# Altium PCB viper_eagle_rep_2.PcbDoc (part 2 of 4)
Units mm, origin at the board's own origin, x right, y up, seen from the top; angles counter-clockwise.
Board outline 285.4 x 100.2 mm, 2 copper layers (Component Side, Bottom Layer), stack 1.571 mm thick; 382 components, 222 nets, 1348 pads, 296 vias.
Unrouted connection lines stored in the file: 32.
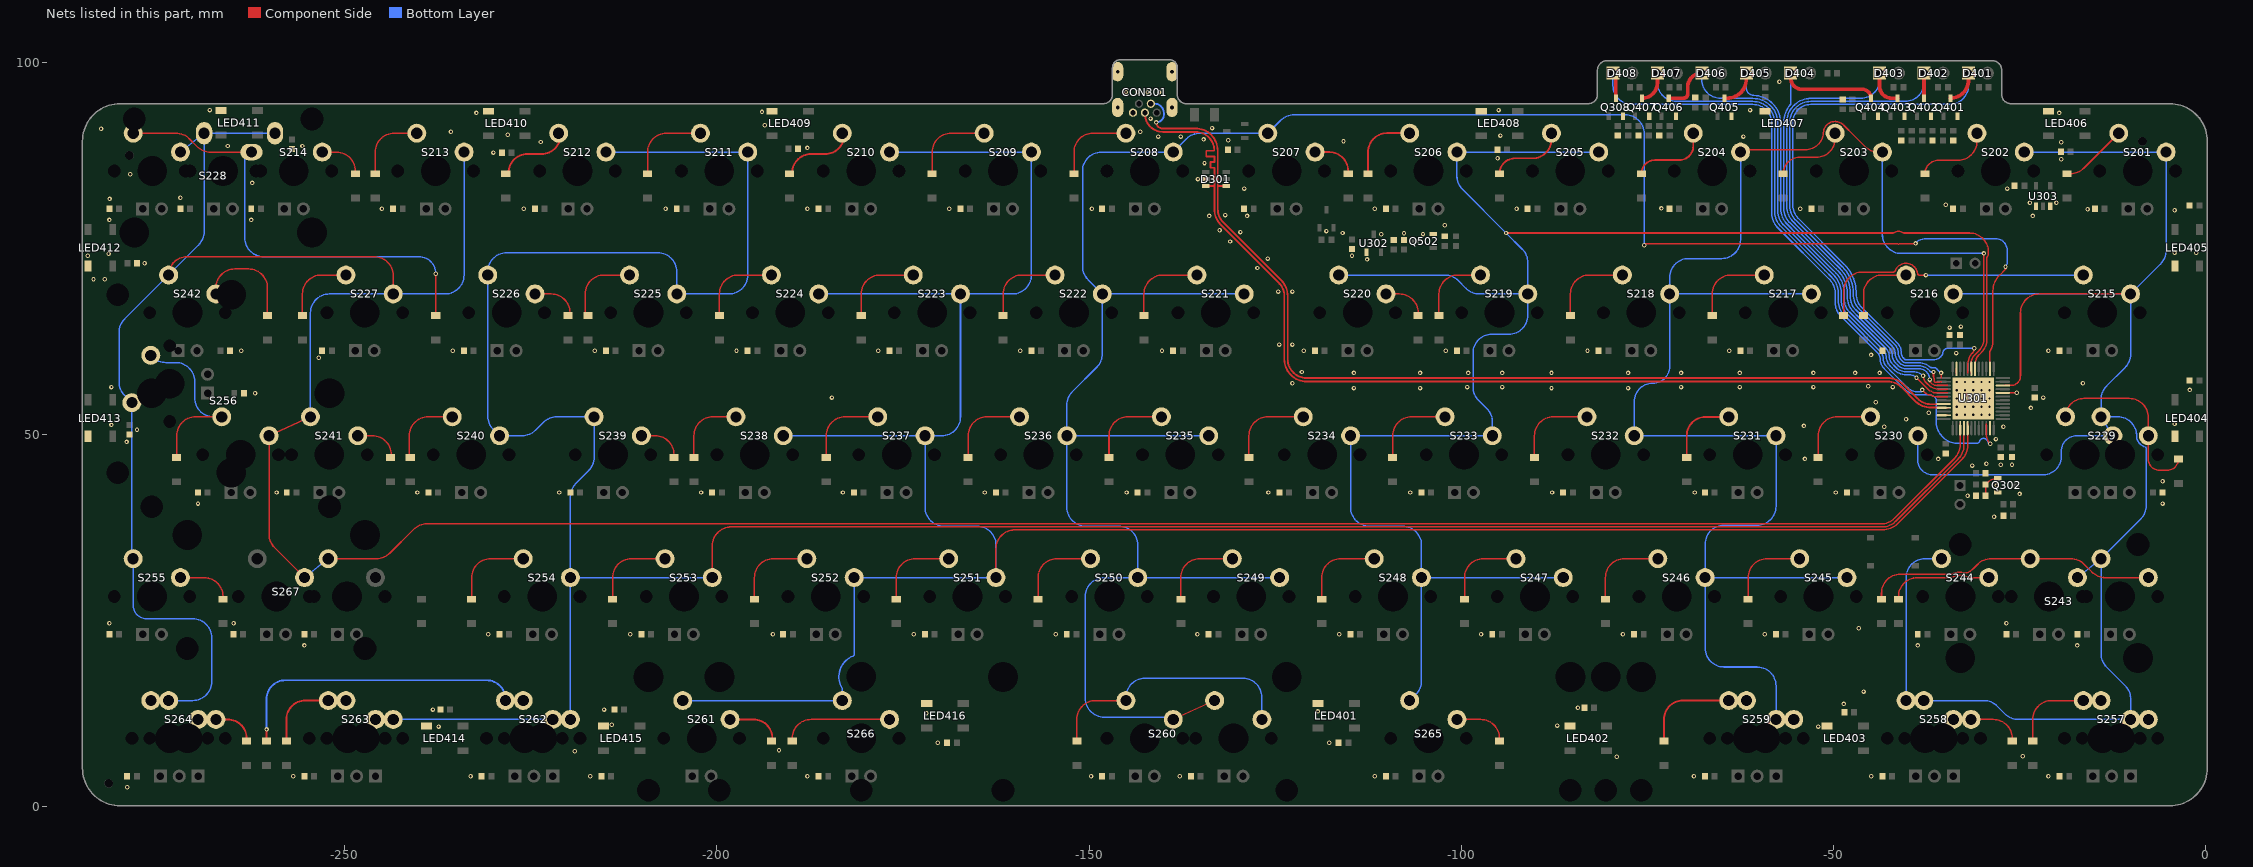
[diagram p2: the nets of this part, all layers, seen from the top]

## Via types
v1: diameter 0.6, hole 0.3, Component Side to Bottom Layer, tented both sides, 269 vias
v2: diameter 0.6, hole 0.3, Component Side to Bottom Layer, 25 vias
v3: diameter 1, hole 0.5, Component Side to Bottom Layer, tented both sides, 2 vias

## Nets (pads, with @x,y where several pads share a name; then routed paths per layer and width w, separated by ;. In a path a pad name is that pad's centre, name@x,y a point inside that pad or via, vN(x,y) a via of type N, cw(c..) or ccw(c..) an arc to the next point about the centre after c; other vN are vias at no path point) (continued)
col1: S201.2 S202.2 S215.1 S216.2 S229.2 S230.2 S243.2 S244.2 S257.1 S258.2 U301.10 | length 250.5
  Component Side w0.203: U301.10@-27.017,56.614 -26.162,56.614 ccw(c-26.162,57.884) -24.892,57.884 -24.892,66.365 cw(c-22.352,66.365) -22.352,68.905 S215.1@-10.102,68.905
  Bottom Layer w0.203: S258.2@-40.259,14.295 -40.259,30.805 cw(c-37.719,30.805) -37.719,33.345 S244.2@-35.5,33.345 ; S230.2@-38.677,49.855 -38.677,46.551 ccw(c-36.761,46.551) -36.761,44.635 -21.786,44.635 ccw(c-21.786,46.99) -19.431,46.99 -19.431,47.752 cw(c-17.328,47.752) -17.328,49.855 S229.2@-12.484,49.855 S229.2@-14.071,52.395 ; S258.2@-37.878,14.295 -29.825,14.295 cw(c-29.825,11.755) -28.029,13.551 -26.977,12.499 ccw(c-25.181,14.295) -25.181,11.755 S257.1@-10.102,11.755 -10.102,14.584 ccw(c-12.467,14.584) -10.795,16.256 -13.327,18.788 cw(c-11.531,20.584) -14.071,20.584 S243.2@-14.071,33.345 ; S216.2@-33.915,68.905 S215.1@-10.102,68.905 ; S202.2@-24.39,87.955 S201.2@-5.34,87.955 -5.34,74.72 cw(c-7.88,74.72) -6.084,72.924 S215.1@-10.102,68.905 ; S243.2@-17.246,30.805 S243.2@-14.071,33.345 ; -9.291,49.783 cw(c-7.721,49.855) -9.292,49.912 ; S243.2@-14.071,33.345 -8.745,38.671 ccw(c-10.541,40.467) -8.001,40.467 -8.001,48.146 ccw(c-8.204,48.147) -8.149,48.343 cw(c-7.721,49.855) -9.292,49.912 ; S229.2@-14.071,52.395 -11.831,52.395 cw(c-11.831,49.855) -9.292,49.912 ; S229.2@-14.071,52.395 -14.071,54.727 cw(c-11.531,54.727) -13.327,56.523 -10.846,59.004 ccw(c-12.642,60.8) -10.102,60.8 S215.1@-10.102,68.905
col2: S203.2 S204.2 S217.2 S218.2 S231.2 S232.2 S245.2 S246.2 S259.1 U301.19 | length 224.8
  Component Side w0.203: S204.2@-62.49,87.955 cw(c-61.742,87.207) -62.26,88.13 cw(c-61.742,87.207) -61.742,88.265 -53.84,88.265 ccw(c-53.84,90.805) -51.357,90.271 ccw(c-51.556,90.314) -51.353,90.334 ; -51.3,90.93 ccw(c-49.79,90.495) -51.353,90.335 cw(c-49.79,90.495) -51.035,91.454 cw(c-49.79,90.495) -50.902,91.605 cw(c-49.79,90.495) -50.9,91.607 cw(c-49.79,90.495) -49.79,92.067 cw(c-49.79,90.495) -49.626,92.058 cw(c-49.79,90.495) -49.625,92.058 cw(c-49.79,90.495) -48.799,91.715 ccw(c-48.671,91.872) -48.768,91.694 -48.724,91.65 ccw(c-48.58,91.794) -48.719,91.645 cw(c-49.79,90.495) -48.64,91.566 ccw(c-48.491,91.705) -48.635,91.561 -47.205,90.131 -45.773,88.699 ccw(c-43.977,90.495) -43.977,87.955 S203.2@-43.44,87.955 ; U301.19@-31.492,58.264 -31.492,59.678 cw(c-30.07,59.678) -31.076,60.683 ; -31.076,60.683 -30.542,61.216 ccw(c-32.338,63.012) -29.798,63.012 v1(-29.798,74.342)
  Bottom Layer w0.203: S218.2@-71.8,69.424 ccw(c-71.281,68.905) S218.2@-72.015,68.905 ; S204.2@-62.49,87.955 -62.49,76.2 cw(c-65.03,76.2) -65.03,73.66 -69.475,73.66 ccw(c-69.475,71.12) -72.015,71.12 S218.2@-72.015,68.905 ; S259.1@-57.727,11.755 -57.727,16.256 ccw(c-60.267,16.256) -59.92,18.772 ccw(c-60.267,16.256) -60.267,18.796 -64.712,18.796 cw(c-64.712,21.336) -67.252,21.336 S246.2@-67.252,30.805 ; S217.2@-52.965,68.905 S218.2@-72.015,68.905 ; S245.2@-48.202,30.805 S246.2@-67.252,30.805 ; S203.2@-43.44,87.955 -43.44,76.882 ccw(c-40.9,76.882) -40.9,74.342 v1(-29.798,74.342) ; S218.2@-72.015,68.905 -72.015,59.176 cw(c-74.295,59.176) -74.295,56.896 ccw(c-74.295,54.414) -76.777,54.414 S232.2@-76.777,49.855 S231.2@-57.727,49.855 -57.727,40.386 cw(c-60.267,40.386) -60.267,37.846 -64.712,37.846 ccw(c-64.712,35.306) -67.252,35.306 S246.2@-67.252,30.805
col3: S205.2 S206.2 S219.2 S220.2 S233.2 S234.2 S247.2 S248.2 S265.2 U301.18 | length 257.8
  Component Side w0.203: v1(-93.98,77.089) -41.998,77.089 ccw(c-41.998,77.292) -41.885,77.123 cw(c-41.275,76.2) -40.665,77.123 ccw(c-40.552,77.292) -40.552,77.089 -31.739,77.089 cw(c-31.739,74.549) -29.199,74.549 -29.199,74.397 ccw(c-28.995,74.397) -29.198,74.384 ; U301.18@-30.992,58.264 -30.992,59.474 cw(c-29.248,59.474) -30.481,60.707 -30.139,61.049 ccw(c-31.935,62.845) -29.395,62.845 -29.395,72.078 -29.395,73.279 -29.395,73.812 cw(c-29.192,73.812) -29.345,73.946 ccw(c-29.798,74.342) -29.199,74.294 ; -29.199,74.295 ccw(c-29.798,74.342) -29.198,74.383
  Bottom Layer w0.203: S220.2@-116.465,71.445 -102.215,71.445 cw(c-102.215,68.905) -100.419,70.701 -99.367,69.649 ccw(c-97.571,71.445) -97.571,68.905 S219.2@-91.065,68.905 ; S265.2@-106.939,14.295 -106.096,15.138 ccw(c-107.892,16.934) -105.352,16.934 S248.2@-105.352,30.805 ; S247.2@-86.302,30.805 S248.2@-105.352,30.805 ; S205.2@-81.54,87.955 S206.2@-100.59,87.955 -100.59,84.751 ccw(c-98.05,84.751) -99.846,82.955 v1(-93.98,77.089) -91.809,74.918 cw(c-93.605,73.122) -91.065,73.122 S219.2@-91.065,68.905 ; S248.2@-105.352,30.805 -105.352,35.179 ccw(c-107.892,35.179) -107.892,37.719 -112.337,37.719 cw(c-112.337,40.259) -114.877,40.259 S234.2@-114.877,49.855 S233.2@-95.827,49.855 -95.827,51.722 ccw(c-98.367,51.722) -96.571,53.518 -97.681,54.628 cw(c-95.885,56.424) -98.425,56.424 -98.425,60.96 cw(c-95.885,60.96) -95.885,63.5 -93.605,63.5 ccw(c-93.605,66.04) -91.065,66.04 S219.2@-91.065,68.905
col4: S207.2 S208.2 S221.2 S222.2 S235.2 S236.2 S249.2 S250.2 S260.1 U301.14 | length 326.2
  Component Side w0.203: S260.1@-138.689,11.755 S260.1@-133.133,14.295 ; v1@-75.436,75.487 cw(c-74.995,75.046) -74.995,75.67 -41.607,75.67 cw(c-41.606,75.467) -41.523,75.652 ccw(c-41.275,76.2) -41.027,75.652 cw(c-40.944,75.467) -40.943,75.67 -39.011,75.67 ccw(c-39.011,75.692) v1(-38.989,75.692) ; U301.14@-28.992,59.089 -28.992,61.125 cw(c-28.244,61.125) -28.992,61.14 cw(c-28.789,61.138) -28.966,61.237 ccw(c-31.532,62.678) -28.773,61.654 ccw(c-31.532,62.678) -28.596,62.474 cw(c-28.393,62.46) -28.595,62.481 ccw(c-29.843,62.609) -28.589,62.609 -28.589,69.314 cw(c-25.646,69.314) -28.35,70.476 -28.348,70.479 cw(c-25.646,69.314) -27.727,71.395 -26.874,72.248 ccw(c-27.018,72.391) -26.817,72.366 ccw(c-29.337,72.68) -26.797,72.68 v1(-26.908,72.57) ; U301.14@-28.992,58.264 U301.14@-28.992,59.089
  Bottom Layer w0.203: S260.1@-138.689,11.755 -138.999,12.065 -147.955,12.065 cw(c-147.955,14.605) -150.495,14.605 -150.495,28.265 cw(c-147.955,28.265) -147.955,30.805 S250.2@-143.452,30.805 ; S235.2@-133.927,49.855 S236.2@-152.977,49.855 ; S221.2@-129.165,68.905 S222.2@-148.215,68.905 ; S249.2@-124.402,30.805 S250.2@-143.452,30.805 ; v1(-75.438,75.438) -75.438,90.424 ccw(c-77.978,90.424) -77.978,92.964 -122.469,92.964 ccw(c-122.469,90.424) -124.265,92.22 S207.2@-125.99,90.495 -135.098,90.495 ccw(c-135.098,87.955) -136.894,89.751 S208.2@-138.69,87.955 -148.336,87.955 ccw(c-148.336,85.415) -150.876,85.415 -150.876,72.618 ccw(c-148.336,72.618) -150.132,70.822 S222.2@-148.215,68.905 ; v1@-39.116,75.692 cw(c-37.583,74.159) -39.115,75.693 cw(c-37.583,74.159) -37.583,76.327 -28.216,76.327 cw(c-28.216,74.803) -26.943,75.64 cw(c-28.216,74.803) -26.692,74.803 -26.692,73.089 cw(c-27.427,73.089) -26.734,72.845 cw(c-27.427,73.089) v1(-26.908,72.57) ; S236.2@-152.977,49.855 -152.977,40.259 ccw(c-150.437,40.259) -150.437,37.719 -145.992,37.719 cw(c-145.992,35.179) -143.452,35.179 S250.2@-143.452,30.805 ; S236.2@-152.977,49.855 -152.977,53.996 cw(c-150.437,53.996) -152.234,55.792 -148.959,59.067 ccw(c-150.755,60.863) -148.215,60.863 S222.2@-148.215,68.905
col5: S209.2 S210.2 S223.2 S224.2 S237.2 S238.2 S251.2 S252.2 S261.2 S266.2 U301.41 | length 337.6
  Component Side w0.203: S251.2@-162.502,30.805 -162.502,34.671 cw(c-159.962,34.671) -159.962,37.211 -43.45,37.211 ccw(c-43.45,40.154) -41.37,38.072 -32.736,46.706 ccw(c-34.532,48.502) -31.992,48.502 U301.41@-31.992,50.639 U301.41@-31.992,51.464
  Bottom Layer w0.203: S261.2@-204.571,14.295 S266.2@-183.139,14.295 -183.139,15.827 ccw(c-183.343,15.826) -183.168,15.929 cw(c-180.589,17.47) -182.449,19.829 ; S238.2@-191.077,49.855 S237.2@-172.027,49.855 ; S224.2@-186.315,68.905 S223.2@-167.265,68.905 ; -183.534,18.065 cw(c-180.589,17.47) -182.448,19.829 ; S210.2@-176.79,87.955 S209.2@-157.74,87.955 -157.74,71.445 cw(c-160.28,71.445) -160.28,68.905 S223.2@-167.265,68.905 ; -182.448,19.829 cw(c-180.589,17.47) -181.68,20.268 ccw(c-181.755,20.457) -181.552,20.456 S252.2@-181.552,30.805 S251.2@-162.502,30.805 -162.502,35.179 ccw(c-165.042,35.179) -165.042,37.719 -169.487,37.719 cw(c-169.487,40.259) -172.027,40.259 S237.2@-172.027,49.855 ; S237.2@-172.027,49.855 -169.805,49.855 ccw(c-169.805,52.395) -167.265,52.395 S223.2@-167.265,68.905
col6: S211.2 S212.2 S225.2 S226.2 S239.2 S240.2 S253.2 S254.2 S262.1 S263.1 U301.40 | length 377.8
  Component Side w0.203: S253.2@-200.602,30.805 -200.602,35.074 cw(c-198.062,35.074) -198.062,37.614 -43.45,37.614 ccw(c-43.45,40.154) -41.654,38.358 -33.236,46.777 ccw(c-35.032,48.573) -32.492,48.573 U301.40@-32.492,50.639 U301.40@-32.492,51.464
  Bottom Layer w0.203: S263.1@-243.459,11.755 S262.1@-222.033,11.755 ; S262.1@-219.652,11.755 S254.2@-219.652,30.805 ; S212.2@-214.89,87.955 S211.2@-195.84,87.955 -195.84,71.445 cw(c-198.38,71.445) -198.38,68.905 S225.2@-205.365,68.905 -205.365,71.882 ccw(c-207.905,71.882) -207.905,74.422 -228.225,74.422 ccw(c-228.225,71.882) -230.765,71.882 S226.2@-230.765,71.445 -230.765,52.495 ccw(c-228.225,52.495) -230.021,50.699 S240.2@-229.177,49.855 -226.152,49.855 ccw(c-226.152,52.395) -224.356,50.599 -223.304,51.651 cw(c-221.508,49.855) -221.508,52.395 S239.2@-216.477,52.395 -216.477,46.957 cw(c-219.017,46.957) -217.221,45.161 -218.908,43.474 ccw(c-217.112,41.678) -218.991,43.387 ccw(c-217.112,41.678) -219.652,41.678 S254.2@-219.652,30.805 ; S253.2@-200.602,30.805 S254.2@-219.652,30.805
col7: S213.2 S214.2 S227.2 S228.1 S241.2 S242.2 S255.2 S256.2 S264.2 S267.2 U301.39 | length 457.2
  Component Side w0.203: S242.2@-273.627,71.445 cw(c-271.159,71.445) -271.159,73.914 -246.005,73.914 cw(c-246.005,71.374) -243.465,71.374 S227.2@-243.465,68.905 ; S267.2@-255.655,31.09 -259.396,34.831 cw(c-257.6,36.627) -260.14,36.627 S256.2@-260.14,49.855 S241.2@-254.571,52.395 ; S267.2@-252.195,33.345 -245.71,33.345 ccw(c-245.71,35.885) -243.914,34.089 -240.73,37.273 cw(c-238.933,35.477) -238.933,38.017 -43.617,38.017 ccw(c-43.617,40.557) -41.821,38.761 -33.736,46.847 ccw(c-35.532,48.643) -32.992,48.643 U301.39@-32.992,50.639 U301.39@-32.992,51.464
  Component Side w0.254: S255.2@-278.39,33.345 -278.313,33.345 ccw(c-278.313,33.401) S255.2@-278.257,33.401
  Bottom Layer w0.203: S264.2@-273.627,14.295 -270.383,14.295 ccw(c-270.383,16.835) -267.843,16.835 -267.843,22.733 ccw(c-270.383,22.733) -270.383,25.273 -276.606,25.273 cw(c-276.606,27.057) -278.39,27.057 S255.2@-278.39,33.345 cw(c-277.98,33.755) -278.56,33.755 S256.2@-278.56,54.305 -279.545,55.29 cw(c-277.749,57.086) -280.289,57.086 -280.289,63.731 cw(c-277.749,63.731) -279.545,65.527 S242.2@-273.627,71.445 -269.603,75.47 ccw(c-271.399,77.266) -268.859,77.266 S228.1@-268.859,90.495 ; S228.1@-272.034,87.955 S228.1@-268.859,90.495 ; S214.2@-259.34,90.495 S228.1@-268.859,90.495 ; S267.2@-255.37,30.805 S267.2@-252.195,33.345 ; S241.2@-254.571,52.395 -254.571,66.365 cw(c-252.031,66.365) -252.031,68.905 S227.2@-243.465,68.905 -236.48,68.905 ccw(c-236.48,71.445) -233.94,71.445 S213.2@-233.94,87.955
D_N: CON301.2 D301.4 U301.32 | length 138.9
  Component Side w0.254: v1(-140.97,91.948) ccw(c-140.157,91.948) -140.294,91.147 ccw(c-140.081,93.097) -140.081,91.135 -135.712,91.135 cw(c-135.712,88.138) -132.715,88.138 -132.715,83.312 ; D301.4@-131.594,83.378 -132.649,83.378 -132.715,83.312 ; U301.32@-34.642,54.114 -35.476,54.114 -35.476,54.105 U301.32@-36.083,54.105 ; -132.715,83.312 -132.715,80.312 ccw(c-130.175,80.312) -131.971,78.516 -124.194,70.738 cw(c-126.311,68.622) -123.317,68.622 -123.317,60.147 ccw(c-120.777,60.147) -120.777,57.607 -42.719,57.607 cw(c-42.719,54.612) -40.601,56.73 -38.708,54.837 ccw(c-36.911,56.633) -36.911,54.093 U301.32@-36.114,54.093 ; U301.32@-36.114,54.093 ccw(c-36.114,54.136) U301.32@-36.083,54.105 ; U301.32@-36.114,54.093 ccw(c-36.114,54.136) U301.32@-36.083,54.105
  Bottom Layer w0.254: CON301.2@-141.7,94.45 -141.163,94.45 cw(c-141.163,93.279) -140.335,94.107 cw(c-141.255,93.187) -139.954,93.187 -139.954,92.964 cw(c-140.97,92.964) v1(-140.97,91.948)
D_P: CON301.3 D301.3 U301.33 | length 140.4
  Component Side w0.254: CON301.3@-142.5,93.25 -142.5,93.097 ccw(c-140.081,93.097) -140.081,90.678 -135.712,90.678 cw(c-135.712,88.138) -133.253,88.773 cw(c-135.712,88.138) -133.224,88.646 -133.187,88.287 -133.187,88.138 -134.253,88.138 -134.253,87.376 -133.172,87.376 -133.172,86.614 -133.681,86.614 -133.681,85.852 -133.172,85.852 -133.172,85.725 -133.172,83.312 ; D301.3@-134.344,83.378 -133.238,83.378 -133.172,83.312 ; U301.33@-34.642,53.614 -35.476,53.614 -35.476,53.623 -36.083,53.623 ccw(c-36.114,53.592) -36.114,53.635 -36.912,53.635 cw(c-36.912,56.631) -39.03,54.513 -40.924,56.406 ccw(c-42.72,54.61) -42.72,57.15 -120.777,57.15 cw(c-120.777,60.147) -123.774,60.147 -123.774,68.62 ccw(c-126.314,68.62) -124.518,70.416 -132.295,78.193 cw(c-130.178,80.31) -133.172,80.31 -133.172,83.312
GND: C301.1 C302.1 C303.1 C304.1 C305.1 C306.1 C310.1 C311.1 C312.1 C313.1 C317.2 C401.1 C402.1 C403.1 C404.1 C405.1 C406.1 C408.1 C409.1 C410.1 C411.1 C412.1 C413.1 C414.1 C415.1 C416.1 CON301.5 CON301.S D301.2 LED401.3 LED402.3 LED403.3 LED404.3 LED405.3 LED406.3 LED407.3 LED408.3 LED409.3 LED410.3 LED411.3 LED412.3 LED413.3 LED414.3 LED415.3 LED416.3 Q302.2 Q308.2 Q401.2 Q402.2 Q403.2 Q404.2 Q405.2 Q406.2 Q407.2 Q502.2 R301.2 R304.2 R305.2 R410.2 R412.2 R414.2 R416.2 R418.2 R420.2 R422.2 R424.2 R501.1 R502.1 R503.1 R504.1 R505.1 R506.1 R507.1 R508.1 R509.1 R510.1 R511.1 R512.1 R513.1 R514.1 R515.1 R516.1 R517.1 R518.1 R519.1 R520.1 R521.1 R522.1 R523.1 R524.1 R525.1 R526.1 R527.1 R528_1.1 R528_2.1 R529.1 R530.1 R531.1 R532.1 R533.1 R534.1 R535.1 R536.1 R537.1 R538.1 R539.1 R540.1 R541.1 R542.1 R543.1 R544.1 R545.1 R546.1 R547.1 R548.1 R549.1 R550.1 R551.1 R552.1 R553.1 R554.1 R554_2.1 R555.1 R556.1 R556_2.1 R557.1 R558.1 R559.1 R561_1.1 R561_2.1 R563.1 R565.1 R566.1 R567.1 R567_1.1 R567_2.1 R570.2 R571.1 R654.1 U301.8 U301.23 U301.35 U301.47 U302.1 U303.1 U303.3 | length 8.5
  Component Side w0.203: U301.35@-35.56,52.578 cw(c-35.473,52.491) -35.473,52.614 U301.35@-34.642,52.614 ; U301.47@-33.492,52.614 ccw(c-33.492,54.864) v2(-31.242,54.864) ; U301.23@-33.492,58.264 U301.23@-33.492,58.915 ; U301.47@-28.992,50.639 U301.47@-28.992,51.464 ; U301.8@-27.842,55.614 U301.8@-26.878,55.614 ; U301.8@-27.017,55.614 -25.4,55.614 v1(-25.4,55.626)
  other v1: -279.198,2.64 -256.875,4.135 -233.068,4.135 -217.003,4.135 -187.824,4.135 -149.724,4.135 -137.818,4.135 -111.624,4.135 -68.762,4.135 -44.944,4.135 -21.137,4.135 -79.121,6.731 -24.58,6.796 -219.075,7.493 -191.643,7.62 -170.307,8.636 -117.729,8.636 -237.363,10.795 -52.07,10.795 -87.122,10.922 -214.122,11.049 -171.831,12.573 -119.253,12.827 -238.125,13.081 -215.138,13.081 -84.328,13.335 -48.641,13.843 -45.974,15.494 -255.385,21.69 -38.69,21.69 -17.261,21.69 -230.687,23.185 -211.637,23.185 -192.46,23.185 -173.537,23.185 -154.487,23.185 -135.437,23.185 -116.387,23.185 -97.337,23.185 -78.287,23.185 -59.237,23.185 -46.609,24.003 -281.58,24.68 -264.91,24.68 -26.786,24.68 -28.448,38.989 -269.68,40.74 -5.801,40.74 -32.004,41.783 -25.019,42.037 -259.13,42.235 -240.212,42.235 -221.162,42.235 -202.112,42.235 -183.062,42.235 -164.012,42.235 -144.962,42.235 -125.912,42.235 -106.862,42.235 -87.812,42.235 -68.635,42.235 -49.712,42.235 -28.067,43.18 -5.801,43.73 -31.369,45.847 -27.559,45.974 -26.035,45.974 -29.464,46.101 -53.848,46.736 -35.941,46.736 -279.273,49.022 -28.194,49.403 -277.876,50.673 -43.18,51.054 -27.178,51.054 -53.975,51.181 -281.305,51.308 -4.191,51.435 -40.259,52.07 -37.211,52.959 -23.495,53.594 -44.323,54.356 -184.531,54.991 -21.844,54.991 -262.015,55.575 -2.159,56.007 -114.427,56.261 -105.537,56.261 -87.884,56.261 -77.597,56.261 -281.305,56.388 -99.187,56.388 -94.488,56.388 -70.485,56.388 -62.611,56.388 -52.705,56.388 -42.037,56.388 -45.339,56.515 -122.682,56.896 -16.51,56.896 -114.427,58.293 -105.537,58.293 -99.06,58.293 -94.488,58.293 -87.884,58.293 -77.597,58.293 -70.485,58.293 -62.611,58.293 -52.705,58.293 -47.117,58.293 -43.815,58.293 -121.412,58.42 -253.463,60.325 -44.958,60.706 -33.528,60.96 -263.862,61.285 -235.45,61.285 -216.4,61.285 -197.35,61.285 -178.3,61.285 -159.25,61.285 -140.2,61.285 -121.15,61.285 -102.1,61.285 -83.05,61.285 -64,61.285 -21.137,61.285 -124.46,62.103 -122.682,62.103 -34.417,64.389 -32.893,64.516 -124.587,69.215 -122.682,69.215 -283.718,70.866 -282.194,70.866 -127.381,72.39 -276.86,73.025 -112.649,73.533 -125.984,73.66 -284.48,74.041 -114.681,74.041 -281.686,74.295 -4.191,74.422 -1.27,74.422 -131.064,75.946 -110.744,76.933 -105.144,76.95 -107.696,77.06 -115.951,77.089 -129.667,77.216 -118.11,77.343 -132.461,77.47 -102.235,78.145 -281.574,78.84 -262.53,78.84 -133.858,79.375 -128.778,79.375 -23.241,79.375 -131.699,79.502 -4.191,80.137 -15.875,80.264 -244.975,80.335 -225.925,80.335 -206.875,80.335 -187.825,80.335 -168.775,80.335 -149.606,80.335 -111.625,80.335 -92.575,80.335 -54.475,80.335 -73.123,80.391 -34.925,80.899 -23.622,81.153 -20.066,81.153 -281.559,81.661 -272.049,81.83 -129.159,83.058 -26.67,83.058 -262.382,83.82 -135.382,84.328 -278.765,84.992 -134.493,86.487 -19.431,86.995 -95.123,87.122 -229.997,87.884 -187.833,88.519 -265.684,88.773 -255.651,88.773 -19.431,89.281 -223.647,89.31 -115.824,89.408 -131.318,89.535 -134.62,89.662 -140.716,90.043 -137.668,90.043 -62.103,90.043 -94.742,90.17 -228.092,90.297 -235.712,90.678 -143.129,90.678 -282.702,91.088 -133.477,91.186 -193.548,91.567 -141.732,92.456 -232.283,93.218 -19.685,93.218 -193.929,93.345 -268.097,93.599 -94.996,93.599 -61.214,93.599 -145.034,96.012 -143.51,96.012 -142.113,96.012 -140.589,96.012 -57.277,97.409
  other v2: -33.442,52.664 -32.342,52.664 -31.242,52.664 -30.142,52.664 -29.042,52.664 -33.442,53.764 -32.342,53.764 -31.242,53.764 -30.142,53.764 -29.042,53.764 -33.442,54.864 -32.342,54.864 -30.142,54.864 -29.042,54.864 -33.442,55.964 -32.342,55.964 -31.242,55.964 -30.142,55.964 -29.042,55.964 -33.442,57.064 -32.342,57.064 -31.242,57.064 -30.142,57.064 -29.042,57.064
led1: D401.2 Q401.3 | length 84.9
  Component Side w0.203: -31.992,58.264 -31.992,59.318 cw(c-29.515,59.318) -31.77,60.343 ccw(c-31.955,60.427) -31.767,60.351 ; -31.766,60.352 cw(c-30.07,59.678) -31.378,60.951 ; -31.377,60.952 ccw(c-31.523,61.093) -31.371,60.958 cw(c-29.515,59.318) -31.267,61.069 ccw(c-32.102,61.595) v1(-31.115,61.595)
  Component Side w0.5: Q401.3@-34.305,95.2 ccw(c-34.305,97.628) -31.877,97.628 D401.2@-31.877,98.565
  Bottom Layer w0.203: -35.959,60.218 ccw(c-36.455,61.285) -35.343,60.901 ; -35.594,60.483 cw(c-36.455,61.285) -36.008,60.197 cw(c-36.589,61.479) -36.589,60.071 -40.31,60.071 cw(c-40.31,60.274) -40.453,60.13 -40.586,60.263 cw(c-39.842,61.007) -40.689,60.383 cw(c-39.842,61.007) -40.894,61.007 ccw(c-42.752,61.007) -40.907,61.223 ccw(c-42.752,61.007) -40.907,61.225 ccw(c-42.752,61.007) -41.437,62.319 ccw(c-42.752,61.007) -41.439,62.321 -41.629,62.511 -46.218,67.1 cw(c-44.422,68.896) -46.962,68.896 -46.962,69.215 cw(c-46.762,69.253) -46.965,69.246 ccw(c-52.324,69.052) -47.1,70.264 ccw(c-52.324,69.052) -48.529,72.84 ccw(c-52.324,69.052) -48.534,72.845 -48.55,72.862 -54.727,79.038 cw(c-52.931,80.834) -55.471,80.834 -55.471,91.948 cw(c-53.058,91.948) -53.058,94.361 -34.417,94.361 ccw(c-34.417,96.901) -31.877,96.901 D401.2@-31.877,98.565 ; -35.582,60.496 ccw(c-36.455,61.285) -35.343,60.901 ; v1(-31.115,61.595) -34.649,61.595 ccw(c-34.649,60.901) -35.265,61.22 ccw(c-35.084,61.128) -35.286,61.152 cw(c-36.455,61.285) -35.342,60.902 cw(c-36.455,61.285) -35.343,60.901
led2: D402.2 Q402.3 | length 69.9
  Component Side w0.203: v1(-35.56,58.293) -35.56,57.839 ccw(c-35.242,57.839) -35.467,57.614
  Component Side w0.5: Q402.3@-37.861,95.2 -37.861,98.565 D402.2@-37.846,98.565
  Bottom Layer w0.203: -40.872,59.979 cw(c-39.842,61.007) -41.297,61.007 ccw(c-42.752,61.007) -41.723,62.035 -46.359,66.671 -46.503,66.815 cw(c-44.422,68.896) -47.365,68.896 -47.365,68.991 -47.365,69.088 cw(c-47.162,69.097) -47.365,69.095 ccw(c-52.324,69.052) -48.814,72.555 ccw(c-52.324,69.052) -48.818,72.56 -55.13,78.871 cw(c-53.334,80.667) -55.874,80.667 -55.874,91.948 cw(c-53.058,91.948) -53.058,94.764 -40.386,94.764 ccw(c-40.386,97.304) -37.846,97.304 D402.2@-37.846,98.565 ; -40.871,59.978 -40.738,59.845 ; -40.738,59.845 ccw(c-40.31,60.274) -40.31,59.668 -38.541,59.668 cw(c-38.541,57.404) -37.185,59.217 cw(c-38.541,57.404) -37.013,59.074 ccw(c-36.877,59.225) -36.878,59.022 -36.576,59.022 cw(c-36.576,58.42) -36.252,58.927 -36.233,58.915 ccw(c-36.103,59.071) -36.223,58.907 cw(c-36.576,58.42) -36.091,58.776 ccw(c-35.928,58.898) -36.073,58.755 -35.647,58.329 ccw(c-35.56,58.416) v1(-35.56,58.293)
led3: D403.2 Q403.3 | length 67.1
  Component Side w0.203: v1(-36.576,58.42) -36.576,57.787 ccw(c-36.373,57.787) -36.551,57.69 -36.525,57.642 cw(c-36.704,57.545) -36.5,57.55 cw(c-37.084,57.404) -36.494,57.286 ccw(c-36.295,57.248) -36.385,57.066 ccw(c-35.757,58.35) -36.361,57.054 ccw(c-36.276,57.239) -36.277,57.036 -36.237,57.036 ccw(c-36.238,57.239) -36.178,57.045 cw(c-36.042,56.614) -36.042,57.066 -35.744,57.066 ccw(c-35.745,57.269) -35.677,57.077 cw(c-35.467,56.496) -35.467,57.114
  Component Side w0.5: D403.2@-43.815,98.565 -43.815,96.774 ccw(c-42.241,96.774) -42.241,95.2 Q403.3@-41.417,95.2
  Bottom Layer w0.203: D403.2@-43.815,98.565 -43.815,97.707 cw(c-46.355,97.707) -46.355,95.167 -53.058,95.167 ccw(c-53.058,91.948) -56.277,91.948 -56.277,80.667 ccw(c-53.334,80.667) -55.415,78.586 -54.835,78.007 -50.2,73.371 -49.105,72.276 cw(c-52.324,69.052) -49.1,72.271 cw(c-52.324,69.052) -47.768,69.058 -47.768,68.562 ccw(c-45.228,68.562) -47.768,68.557 ccw(c-45.228,68.562) -47.024,66.766 -42.127,61.869 ; -42.126,61.868 cw(c-43.155,60.84) -41.7,60.84 ccw(c-40.246,60.84) -41.298,59.835 ; -41.403,59.94 ccw(c-40.649,60.673) -41.392,59.929 -41.306,59.843 ccw(c-41.164,59.988) -41.3,59.837 -41.298,59.835 ; v1(-36.576,58.42) -36.877,58.42 cw(c-36.876,58.623) -37.039,58.502 ccw(c-38.541,57.404) -38.541,59.265 -40.31,59.265 cw(c-40.31,60.274) -41.023,59.56 -41.154,59.691 cw(c-39.842,61.007) -41.236,59.778 ccw(c-41.388,59.643) -41.252,59.794 -41.298,59.835
led4: D404.2 Q404.3 | length 66.4
  Component Side w0.203: v1(-37.084,57.404) -37.084,57.168 ccw(c-36.881,57.17) -37.022,57.024 ccw(c-35.757,58.35) -36.431,56.646 ccw(c-36.359,56.836) -36.361,56.633 -35.607,56.633 -35.589,56.614 -34.642,56.614
  Component Side w0.5: D404.2@-55.753,98.565 -55.753,97.917 ccw(c-54.229,97.917) -54.229,96.393 -46.166,96.393 cw(c-46.166,95.2) Q404.3@-44.973,95.2
  Bottom Layer w0.203: D404.2@-55.753,98.565 -55.753,94.446 cw(c-55.956,94.445) -55.802,94.312 ccw(c-53.058,91.948) -56.68,91.948 -56.68,80.333 ccw(c-54.14,80.333) -55.936,78.537 -49.66,72.26 -49.389,71.99 cw(c-52.324,69.052) -49.385,71.986 cw(c-52.324,69.052) -48.171,69.06 -48.171,68.654 -48.171,68.562 ccw(c-45.228,68.562) -48.171,68.557 ccw(c-45.228,68.562) -47.31,66.481 -46.612,65.783 -42.53,61.702 cw(c-43.558,60.673) -42.104,60.673 ccw(c-40.649,60.673) -41.678,59.645 ; -41.677,59.644 -41.441,59.408 -41.308,59.275 ; -41.307,59.274 ccw(c-40.31,60.274) -40.31,58.861 -38.541,58.861 cw(c-38.541,57.404) -37.943,58.733 cw(c-38.541,57.404) -37.212,58.002 cw(c-38.541,57.404) -37.16,57.868 cw(c-38.541,57.404) v1(-37.084,57.404)
led5: D405.2 Q405.3 | length 61.4
  Component Side w0.203: v1(-37.973,57.912) ccw(c-36.747,57.912) -37.614,57.045 ; -37.614,57.045 -37.338,56.769 ccw(c-35.757,58.35) -35.757,56.114 -35.612,56.114 ; -35.612,56.114 -34.642,56.114
  Component Side w0.5: Q405.3@-64.643,95.2 -64.262,95.2 ccw(c-64.262,97.74) -61.722,97.74 D405.2@-61.722,98.565
  Bottom Layer w0.203: D405.2@-61.722,98.565 -61.722,96.587 ccw(c-60.704,96.587) -60.764,95.57 ccw(c-60.751,95.773) -60.757,95.57 ccw(c-60.751,95.773) -60.755,95.57 cw(c-60.833,91.821) -60.704,95.568 cw(c-60.833,91.821) -57.083,91.821 -57.083,80.333 ccw(c-54.14,80.333) -56.222,78.252 -54.961,76.992 -50.199,72.229 -49.673,71.704 cw(c-52.324,69.052) -49.671,71.702 cw(c-52.324,69.052) -48.574,69.052 -48.574,68.228 ccw(c-46.034,68.228) -47.83,66.432 -42.933,61.535 ; -42.932,61.534 cw(c-43.962,60.506) -42.507,60.506 ccw(c-41.052,60.506) -42.081,59.478 -41.861,59.258 -41.594,58.991 ccw(c-40.31,60.274) -41.591,58.988 ccw(c-40.31,60.274) -40.31,58.458 -39.292,58.458 cw(c-39.292,56.593) v1(-37.973,57.912) cw(c-39.292,56.593) v1(-37.973,57.912)
led6: D406.2 Q406.3 | length 68.7
  Component Side w0.203: v1(-38.862,57.658) -37.219,56.015 ccw(c-36.251,56.983) -37.137,55.939 ccw(c-37.005,56.094) -37.077,55.904 cw(c-37.766,54.072) -36.661,55.688 ccw(c-36.547,55.855) -36.6,55.659 ccw(c-36.251,56.983) -36.251,55.614 -35.467,55.614 -34.642,55.614
  Component Side w0.5: Q406.3@-72.136,95.377 Q406.3@-72.136,95.2 -70.154,95.2 ccw(c-70.154,95.758) -69.596,95.758 -69.596,96.66 cw(c-67.691,96.66) D406.2@-67.691,98.565
  Bottom Layer w0.203: D406.2@-67.691,98.565 -67.691,97.707 ccw(c-65.151,97.707) -65.151,95.167 -60.833,95.167 cw(c-60.833,91.821) -57.487,91.821 -57.487,79.999 ccw(c-54.947,79.999) -56.743,78.203 -50.293,71.754 -49.958,71.418 ; -49.957,71.417 cw(c-52.324,69.052) -48.978,69.052 -48.978,68.061 ccw(c-46.438,68.061) -48.234,66.265 -43.336,61.368 cw(c-44.365,60.339) -42.91,60.339 ccw(c-41.918,60.339) -42.815,59.915 cw(c-42.999,59.828) -42.807,59.896 ; -42.807,59.895 ccw(c-41.052,60.506) -42.51,59.354 ccw(c-41.052,60.506) -42.365,59.191 -42.146,58.973 ccw(c-42.002,59.115) -42.145,58.971 -41.879,58.705 ccw(c-40.31,60.274) -41.721,58.562 ccw(c-40.31,60.274) -40.523,58.065 ccw(c-40.31,60.274) -40.31,58.055 -39.82,58.055 cw(c-39.82,56.7) v1(-38.862,57.658)
led7: D407.2 Q407.3 | length 73.3
  Component Side w0.203: v1(-38.1,56.007) -37.951,55.858 ccw(c-36.155,57.654) -37.236,55.355 ccw(c-37.149,55.539) -37.133,55.337 cw(c-37.084,54.737) -36.698,55.198 ccw(c-36.567,55.354) -36.685,55.188 ccw(c-36.567,55.354) -36.604,55.154 ccw(c-36.155,57.654) -36.155,55.114 -35.687,55.114 -34.642,55.114
  Component Side w0.5: Q407.3@-75.707,95.2 ccw(c-75.707,97.247) -73.66,97.247 D407.2@-73.66,98.565
  Bottom Layer w0.203: D407.2@-73.66,98.565 -73.66,97.304 ccw(c-71.12,97.304) -71.12,94.764 -60.833,94.764 cw(c-60.833,91.821) -57.89,91.821 -57.89,79.832 ccw(c-55.35,79.832) -57.146,78.036 -51.15,72.04 -50.242,71.132 cw(c-52.324,69.052) -49.381,69.052 -49.381,68.061 ccw(c-46.438,68.061) -48.519,65.98 -48.038,65.5 -43.784,61.245 ; -43.783,61.245 cw(c-44.92,60.109) -43.315,60.193 ccw(c-43.112,60.203) -43.313,60.172 ccw(c-41.858,60.172) -43.313,60.168 ccw(c-41.858,60.172) -42.888,59.144 -42.037,58.293 -41.964,58.22 -40.259,56.515 ; v1(-38.1,56.007) cw(c-38.505,56.007) -38.12,55.881 cw(c-38.313,55.945) -38.312,55.742 -38.601,55.742 cw(c-38.601,57.879) -39.632,56.007 cw(c-38.601,57.879) -39.678,56.033 cw(c-38.601,57.879) -40.114,56.37 ; -40.259,56.515 -40.114,56.37 ; -40.259,56.515 -40.114,56.37
led8: D408.2 Q308.3 | length 92.2
  Component Side w0.203: -29.492,51.464 -29.492,50.639 -29.492,50.062 ccw(c-27.662,50.062) v1(-28.956,48.768)
  Component Side w0.5: D408.2@-79.629,98.565 cw(c-79.629,98.184) -79.248,98.184 Q308.3@-79.248,95.2
  Bottom Layer w0.203: D408.2@-79.629,98.565 -79.629,96.901 ccw(c-77.089,96.901) -77.089,94.361 -60.833,94.361 cw(c-60.833,91.821) -58.293,91.821 -58.293,79.665 ccw(c-55.753,79.665) -57.549,77.869 -50.528,70.848 cw(c-52.324,69.052) -49.784,69.052 -49.784,67.727 ccw(c-47.244,67.727) -49.04,65.931 -44.069,60.96 cw(c-44.92,60.109) -43.716,60.109 ccw(c-42.011,60.109) -43.217,58.903 ; -43.217,58.903 -40.397,56.083 ccw(c-38.601,57.879) -38.601,55.339 -37.084,55.339 cw(c-37.084,54.45) -36.195,54.45 -36.195,51.598 ccw(c-33.655,51.598) -35.451,49.802 -35.11,49.461 ccw(c-33.443,51.378) -33.443,48.838 -30.957,48.838 ccw(c-30.957,50.007) -30.553,48.909 ccw(c-30.623,49.1) -30.427,49.049 cw(c-29.845,48.895) -30.035,49.466 cw(c-29.845,48.895) -29.248,48.968 ; -29.248,48.966 ccw(c-29.046,48.992) -29.137,48.811 ccw(c-28.956,49.176) v1(-28.956,48.768)
NetC309_2: C309.2 Q302.1 R305.1 | length 3.4
  Component Side w0.203: R305.1@-29.576,41.783 C309.2@-29.576,43.307 -29.298,43.585 cw(c-27.946,42.233) Q302.1@-27.946,44.145
NetD201_1: D201.1 S201.1 | length 9.1
  Component Side w0.203: D201.1@-18.669,85.05 -18.187,85.05 ccw(c-18.187,87.59) -16.391,85.794 S201.1@-11.69,90.495
NetD202_1: D202.1 S202.1 | length 10.6
  Component Side w0.203: D202.1@-37.719,85.05 cw(c-35.901,85.05) -35.901,86.868 -33.28,86.868 ccw(c-33.28,89.408) -30.74,89.408 S202.1@-30.74,90.495
NetD203_1: D203.1 S203.1 | length 10.4
  Component Side w0.203: D203.1@-56.769,85.05 cw(c-54.57,85.05) -55.958,86.755 cw(c-54.57,85.05) -54.57,87.249 -52.33,87.249 ccw(c-52.33,89.789) -49.991,88.8 ccw(c-52.33,89.789) -49.79,89.789 S203.1@-49.79,90.495
NetD204_1: D204.1 S204.1 | length 10.8
  Component Side w0.254: D204.1@-75.819,85.05 cw(c-74.001,85.05) -74.001,86.868 -70.739,86.868 ccw(c-70.739,88.767) -68.84,88.767 S204.1@-68.84,90.495
NetD205_1: D205.1 S205.1 | length 10.4
  Component Side w0.254: D205.1@-94.869,85.05 cw(c-92.797,85.05) -92.797,87.122 -90.43,87.122 ccw(c-90.43,89.662) -87.89,89.662 S205.1@-87.89,90.424
NetD206_1: D206.1 S206.1 | length 9.9
  Component Side w0.254: D206.1@-112.522,85.05 -112.522,87.955 cw(c-109.982,87.955) -109.982,90.495 S206.1@-106.94,90.495
NetD207_1: D207.1 S207.1 | length 6.3
  Component Side w0.254: S207.1@-119.64,87.955 -117.729,87.955 cw(c-117.729,85.415) -115.189,85.415 D207.1@-115.189,85.05
NetD208_1: D208.1 S208.1 | length 11.3
  Component Side w0.203: D208.1@-152.019,85.05 -152.019,87.955 cw(c-149.479,87.955) -149.479,90.495 S208.1@-145.04,90.495
NetD209_1: D209.1 S209.1 | length 11.3
  Component Side w0.203: D209.1@-171.069,85.05 -171.069,87.955 cw(c-168.529,87.955) -168.529,90.495 S209.1@-164.09,90.495
NetD210_1: D210.1 S210.1 | length 10.2
  Component Side w0.254: D210.1@-189.871,84.867 -189.871,85.161 cw(c-187.331,85.161) -187.331,87.701 -185.432,87.701 ccw(c-185.432,90.241) -182.892,90.241 S210.1@-182.892,90.312
NetD211_1: D211.1 S211.1 | length 11.5
  Component Side w0.203: D211.1@-209.296,85.05 -209.296,87.955 cw(c-206.756,87.955) -206.756,90.495 S211.1@-202.19,90.495
NetD212_1: D212.1 S212.1 | length 10.2
  Component Side w0.254: D212.1@-227.971,84.867 -227.971,85.161 cw(c-225.431,85.161) -225.431,87.701 -223.532,87.701 ccw(c-223.532,90.241) -220.992,90.241 S212.1@-220.992,90.312
NetD213_1: D213.1 S213.1 | length 9.9
  Component Side w0.203: D213.1@-245.872,85.05 -245.872,87.955 cw(c-243.332,87.955) -243.332,90.495 -240.538,90.495 S213.1@-240.29,90.495
NetD214_1: D214.1 S214.1 | length 6.3
  Component Side w0.203: S214.1@-252.99,87.955 -251.079,87.955 cw(c-251.079,85.415) -248.539,85.415 D214.1@-248.539,85.05
NetD215_1: D215.1 S215.2 | length 38.3
  Component Side w0.203: D215.1@-48.641,66 -48.641,69.308 cw(c-46.101,69.308) -46.101,71.848 -42.672,71.848 -41.933,71.848 ccw(c-41.933,72.051) -41.742,71.982 cw(c-40.265,71.445) -38.704,71.625 ccw(c-38.502,71.648) -38.502,71.445 v1(-37.592,71.445)
  Bottom Layer w0.203: v1(-37.592,71.445) S215.2@-16.452,71.445
NetD216_1: D216.1 S216.1 | length 10.1
  Component Side w0.203: D216.1@-45.974,66 -45.974,68.905 cw(c-43.434,68.905) -43.434,71.445 S216.1@-40.265,71.445
NetD217_1: D217.1 S217.1 | length 11.3
  Component Side w0.203: D217.1@-66.294,66 -66.294,68.905 cw(c-63.754,68.905) -63.754,71.445 S217.1@-59.315,71.445
NetD218_1: D218.1 S218.1 | length 11.3
  Component Side w0.203: D218.1@-85.344,66 -85.344,68.905 cw(c-82.804,68.905) -82.804,71.445 S218.1@-78.365,71.445
NetD219_1: D219.1 S219.1 | length 9.9
  Component Side w0.203: D219.1@-102.997,66 -102.997,68.905 cw(c-100.457,68.905) -100.457,71.445 S219.1@-97.415,71.445
NetD220_1: D220.1 S220.1 | length 6.1
  Component Side w0.203: S220.1@-110.115,68.905 -108.331,68.905 cw(c-108.331,66.365) -105.791,66.365 D220.1@-105.791,66
NetD221_1: D221.1 S221.1 | length 11.5
  Component Side w0.203: D221.1@-142.621,66 -142.621,68.905 cw(c-140.081,68.905) -140.081,71.445 S221.1@-135.515,71.445
NetD222_1: D222.1 S222.1 | length 11.3
  Component Side w0.203: D222.1@-161.544,66 -161.544,68.905 cw(c-159.004,68.905) -159.004,71.445 S222.1@-154.565,71.445
NetD223_1: D223.1 S223.1 | length 11.3
  Component Side w0.203: D223.1@-180.594,66 -180.594,68.905 cw(c-178.054,68.905) -178.054,71.445 S223.1@-173.615,71.445
NetD224_1: D224.1 S224.1 | length 11.3
  Component Side w0.203: D224.1@-199.644,66 -199.644,68.905 cw(c-197.104,68.905) -197.104,71.445 S224.1@-192.665,71.445
NetD225_1: D225.1 S225.1 | length 10.3
  Component Side w0.203: D225.1@-217.678,66 -217.678,68.905 cw(c-215.138,68.905) -215.138,71.445 S225.1@-211.715,71.445
NetD226_1: D226.1 S226.1 | length 6.5
  Component Side w0.203: S226.1@-224.415,68.905 -222.25,68.905 cw(c-222.25,66.365) -219.71,66.365 D226.1@-219.71,66
NetD227_1: D227.1 S227.1 | length 10.2
  Component Side w0.203: D227.1@-255.651,66 -255.651,68.905 cw(c-253.111,68.905) -253.111,71.445 S227.1@-249.815,71.445
NetD228_1: D228.1 S228.2 | length 63.1
  Component Side w0.203: S228.2@-278.16,90.271 S228.2@-278.384,90.495 -272.649,90.495 cw(c-272.649,87.955) -270.853,89.751 -269.801,88.699 ccw(c-268.005,90.495) -268.005,87.955 S228.2@-262.509,87.955 ; D228.1@-237.744,66 v1(-237.744,71.628)
  Bottom Layer w0.203: S228.2@-262.509,87.955 ccw(c-262.509,87.066) -263.398,87.066 -263.398,76.454 ccw(c-260.858,76.454) -260.858,73.914 -240.03,73.914 cw(c-240.03,71.628) v1(-237.744,71.628)
NetD229_1: D229.1 S229.1 | length 25.3
  Component Side w0.203: S229.1@-18.834,52.395 cw(c-16.365,52.395) -16.365,54.864 -10.261,54.864 cw(c-10.261,52.324) -7.721,52.324 S229.1@-7.721,49.855 -7.721,46.71 ccw(c-6.223,46.71) -6.223,45.212 -5.191,45.212 ccw(c-5.191,46.72) D229.1@-3.683,46.72
NetD230_1: D230.1 S230.1 | length 11.4
  Component Side w0.203: D230.1@-52.07,46.95 -52.07,49.855 cw(c-49.53,49.855) -49.53,52.395 S230.1@-45.027,52.395
NetD231_1: D231.1 S231.1 | length 10.2
  Component Side w0.254: D231.1@-69.723,46.72 -69.723,49.855 cw(c-67.183,49.855) -67.183,52.395 S231.1@-64.077,52.395
NetD232_1: D232.1 S232.1 | length 11.4
  Component Side w0.203: D232.1@-90.17,46.95 -90.17,49.855 cw(c-87.63,49.855) -87.63,52.395 S232.1@-83.127,52.395
NetD233_1: D233.1 S233.1 | length 11.4
  Component Side w0.203: D233.1@-109.22,46.95 -109.22,49.855 cw(c-106.68,49.855) -106.68,52.395 S233.1@-102.177,52.395
NetD234_1: D234.1 S234.1 | length 12.5
  Component Side w0.203: D234.1@-128.524,46.95 -128.524,49.855 cw(c-125.984,49.855) -125.984,52.395 S234.1@-121.227,52.395
  Bottom Layer w0.254: S234.1@-121.793,51.83 S234.1@-121.227,52.395
NetD235_1: D235.1 S235.1 | length 11.4
  Component Side w0.203: D235.1@-147.32,46.95 -147.32,49.855 cw(c-144.78,49.855) -144.78,52.395 S235.1@-140.277,52.395
NetD236_1: D236.1 S236.1 | length 11.3
  Component Side w0.203: D236.1@-166.243,46.95 -166.243,49.855 cw(c-163.703,49.855) -163.703,52.395 S236.1@-159.327,52.395
NetD237_1: D237.1 S237.1 | length 11.3
  Component Side w0.203: D237.1@-185.293,46.95 -185.293,49.855 cw(c-182.753,49.855) -182.753,52.395 S237.1@-178.377,52.395
NetD238_1: D238.1 S238.1 | length 10
  Component Side w0.203: D238.1@-203.073,46.95 -203.073,49.855 cw(c-200.533,49.855) -200.533,52.395 S238.1@-197.427,52.395
NetD239_1: D239.1 S239.1 | length 6.2
  Component Side w0.203: S239.1@-210.127,49.855 -208.28,49.855 cw(c-208.28,47.315) -205.74,47.315 D239.1@-205.74,46.95
NetD240_1: D240.1 S240.1 | length 10.1
  Component Side w0.203: D240.1@-241.3,46.95 -241.3,49.855 cw(c-238.76,49.855) -238.76,52.395 S240.1@-235.527,52.395
NetD241_1: D241.1 S241.1 | length 6.3
  Component Side w0.203: S241.1@-248.202,49.855 -246.253,49.855 cw(c-246.253,47.315) -243.713,47.315 D241.1@-243.713,46.95
NetD242_1: D242.1 S242.1 | length 15
  Component Side w0.203: S242.1@-267.277,68.905 -267.277,69.723 cw(c-264.737,69.723) -264.737,72.263 -263.779,72.263 -262.89,72.263 cw(c-262.89,69.723) -260.35,69.723 D242.1@-260.35,66
  Bottom Layer w0.254: S242.1@-267.734,68.448 S242.1@-267.277,68.905
NetD243_1: D243.1 S243.1 | length 39.6
  Component Side w0.203: D243.1@-43.561,27.9 -43.561,28.719 cw(c-41.021,28.719) -41.021,31.259 -34.276,31.259 ccw(c-34.276,31.462) -34.199,31.274 cw(c-32.96,28.265) -32.214,31.433 ccw(c-32.168,31.631) -32.093,31.442 ccw(c-33.039,33.799) -31.243,32.003 -30.645,32.601 cw(c-28.849,30.805) -28.849,33.345 S243.1@-23.596,33.345 -18.141,33.345 cw(c-18.141,30.805) -16.345,32.601 -15.293,31.549 ccw(c-13.497,33.345) -13.497,30.805 S243.1@-7.721,30.805
NetD244_1: D244.1 S244.1 | length 14
  Component Side w0.203: D244.1@-41.275,27.9 -41.275,28.265 cw(c-38.735,28.265) -38.735,30.805 -34.256,30.805 ccw(c-34.256,31.059) -34.149,30.829 cw(c-32.96,28.265) -31.771,30.829 ccw(c-31.664,31.059) -31.664,30.805 S244.1@-29.15,30.805
NetD245_1: D245.1 S245.1 | length 11.3
  Component Side w0.203: D245.1@-61.468,27.9 -61.468,30.805 cw(c-58.928,30.805) -58.928,33.345 S245.1@-54.552,33.345
NetD246_1: D246.1 S246.1 | length 12.4
  Component Side w0.203: D246.1@-80.645,27.9 -80.645,30.805 cw(c-78.105,30.805) -78.105,33.345 S246.1@-73.602,33.345 S246.1@-74.295,32.652
NetD247_1: D247.1 S247.1 | length 11.3
  Component Side w0.203: D247.1@-99.568,27.9 -99.568,30.805 cw(c-97.028,30.805) -97.028,33.345 S247.1@-92.652,33.345
NetD248_1: D248.1 S248.1 | length 11.4
  Component Side w0.203: D248.1@-118.745,27.9 -118.745,30.805 cw(c-116.205,30.805) -116.205,33.345 S248.1@-111.702,33.345
NetD249_1: D249.1 S249.1 | length 11.3
  Component Side w0.203: D249.1@-137.668,27.9 -137.668,30.805 cw(c-135.128,30.805) -135.128,33.345 S249.1@-130.752,33.345
NetD250_1: D250.1 S250.1 | length 11.4
  Component Side w0.203: D250.1@-156.845,27.9 -156.845,30.805 cw(c-154.305,30.805) -154.305,33.345 S250.1@-149.802,33.345
NetD251_1: D251.1 S251.1 | length 11.4
  Component Side w0.203: D251.1@-175.895,27.9 -175.895,30.805 cw(c-173.355,30.805) -173.355,33.345 S251.1@-168.852,33.345
NetD252_1: D252.1 S252.1 | length 11.4
  Component Side w0.203: D252.1@-194.945,27.9 -194.945,30.805 cw(c-192.405,30.805) -192.405,33.345 S252.1@-187.902,33.345
NetD253_1: D253.1 S253.1 | length 11.4
  Component Side w0.203: D253.1@-213.995,27.9 -213.995,30.805 cw(c-211.455,30.805) -211.455,33.345 S253.1@-206.952,33.345
NetD254_1: D254.1 S254.1 | length 11.3
  Component Side w0.203: D254.1@-232.918,27.9 -232.918,30.805 cw(c-230.378,30.805) -230.378,33.345 S254.1@-226.002,33.345
NetD255_1: D255.1 S255.1 | length 7.5
  Component Side w0.203: S255.1@-272.04,30.805 -268.859,30.805 cw(c-268.859,28.265) -266.319,28.265 D255.1@-266.319,27.9
NetD256_1: D256.1 S256.1 | length 25.4
  Component Side w0.203: S256.1@-275.642,61.547 S256.1@-275.617,61.573 ; D256.1@-272.542,46.95 -272.542,49.855 cw(c-270.002,49.855) -270.002,52.395 S256.1@-266.49,52.395
  Bottom Layer w0.203: S256.1@-276.02,60.655 -275.799,60.434 ccw(c-274.003,62.23) -274.003,59.69 -272.669,59.69 cw(c-272.669,57.15) -270.129,57.15 -270.129,54.935 ccw(c-267.589,54.935) -267.589,52.395 S256.1@-266.49,52.395
NetD257_1: D257.1 S257.2 | length 11.1
  Component Side w0.203: D257.1@-23.241,8.85 -23.241,11.755 cw(c-20.701,11.755) -20.701,14.295 S257.2@-16.452,14.295
NetD258_1: D258.1 S258.1 | length 9.7
  Component Side w0.203: S258.1@-33.909,11.755 S258.1@-31.528,11.755 -28.54,11.755 cw(c-28.54,9.215) -26,9.215 D258.1@-26,8.85
NetD259_1: D259.1 S259.2 | length 13
  Component Side w0.254: D259.1@-72.771,8.85 -72.771,11.755 cw(c-70.231,11.755) -70.231,14.295 S259.2@-64.077,14.295
NetD260_1: D260.1 S260.2 | length 35.5
  Component Side w0.203: D260.1@-151.638,8.85 -151.638,11.755 cw(c-149.098,11.755) -149.098,14.295 S260.2@-145.039,14.295 S260.2@-145.039,14.732
  Bottom Layer w0.203: S260.2@-145.039,14.732 cw(c-142.499,14.732) -142.499,17.272 -129.323,17.272 cw(c-129.323,14.732) -126.783,14.732 S260.2@-126.783,11.755
NetD261_1: D261.1 S261.1 | length 7.5
  Component Side w0.254: S261.1@-198.221,11.755 -195.072,11.755 cw(c-195.072,9.215) -192.532,9.215 D261.1@-192.532,8.85
NetD262_1: D262.1 S262.2 | length 40.8
  Component Side w0.254: D262.1@-260.477,8.85 v1(-260.477,10.414)
  Bottom Layer w0.254: v1(-260.477,10.414) -260.477,14.478 cw(c-257.937,14.478) -257.937,17.018 -230.923,17.018 cw(c-230.923,14.478) -228.383,14.478 S262.2@-228.383,14.295
NetD263_1: D263.1 S263.2 | length 10
  Component Side w0.254: D263.1@-257.81,8.85 -257.81,11.755 cw(c-255.27,11.755) -255.27,14.295 S263.2@-252.19,14.295
NetD264_1: D264.1 S264.1 | length 8.3
  Component Side w0.254: S264.1@-269.658,11.755 S264.1@-267.277,11.755 -265.684,11.755 cw(c-265.684,9.215) -263.144,9.215 D264.1@-263.144,8.85
NetD265_1: D265.1 S265.1 | length 7.5
  Component Side w0.203: S265.1@-100.589,11.755 -97.409,11.755 cw(c-97.409,9.215) -94.869,9.215 D265.1@-94.869,8.85
NetD266_1: D266.1 S266.1 | length 14.9
  Component Side w0.203: D266.1@-189.865,8.85 -189.865,9.215 cw(c-187.325,9.215) -187.325,11.755 S266.1@-176.789,11.755